# KiCad board austin.kicad_pcb (continued)
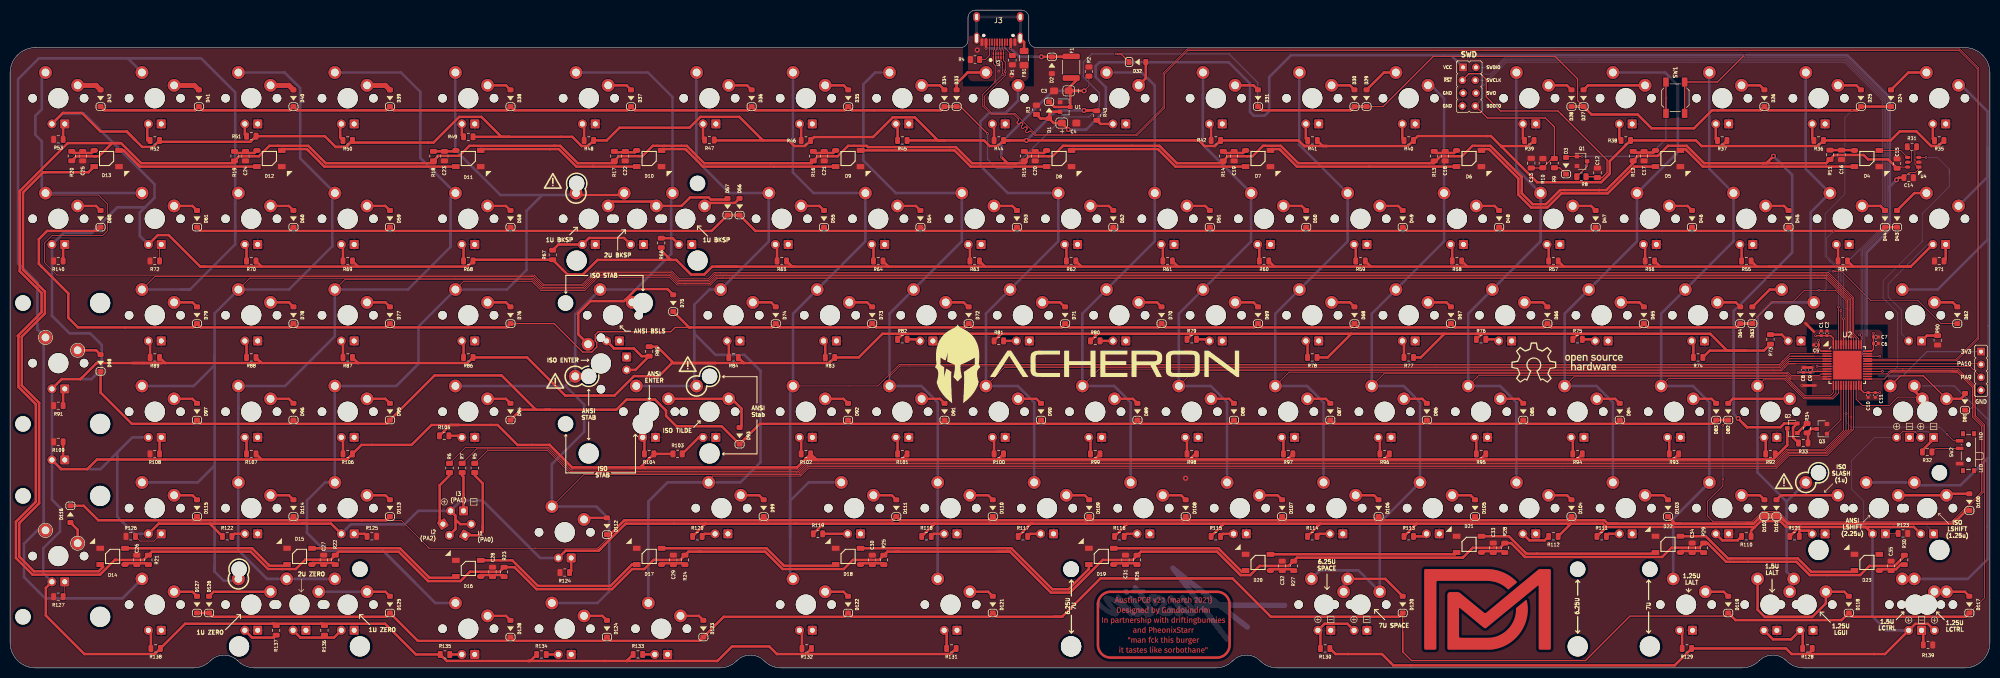
[diagram p0: board, top side]
## Routing (per net, layer and track width the routed paths; a pad name or vN(x,y) marks a point on that pad's centre or on a via; arc(x,y) is an arc through that point) (continued)
  Bottom w0.152: 372.66,77.58 370.91,75.83 370.91,73.29 373.58,70.62 373.58,65.96 LED42.A ; 372.66,77.58 372.27,77.19 ; 372.66,77.58 378.7,83.62 LED22.A ; LED81.A 366.09,28.21 366.09,32.91 363.67,35.32 363.67,40.91 368.29,45.52 LED2.A
  Bottom w0.508: 26.61,90.94 25.6,89.93 25.6,85.33 LED23.A ; 26.61,90.94 28.52,92.85 28.52,95.52 14.55,109.49 10.31,109.49 LED3.A ; 26.61,90.94 21.15,90.94 16.07,85.86 10.5,85.86 LED101.A 8.25,69.55 ; 367.82,10.14 370.55,7.41 LED99.A ; 367.82,10.14 LED81.A ; 367.82,10.14 368.07,9.89 ; 8.25,69.55 11.75,66.05 15.82,66.05 18.11,63.77 18.11,59.07 16.07,57.04 10.19,57.04 LED43.A LED63.A ; 8.25,69.55 9.34,68.47 ; 206.63,110.1 v1(200.71,104.17) ; 206.63,110.1 v1(212.09,110.1) ; 206.63,110.1 206.07,109.54 ; LED85.A 6.55,18.7 6.55,23.63 9.85,26.94 9.85,31.64 8.25,33.23 LED63.A ; 21.15,42.56 24.12,45.52 LED62.A ; 21.15,42.56 21.15,40.63 ; 21.15,42.56 17.85,39.26 10.07,39.26 LED63.A ; 21.15,42.56 21.15,29.86 24.54,26.47 LED84.A ; LED82.A 104.67,21.71 93.33,33.05 89.04,33.05 LEDCAPS1.A 80.58,31.01 77.91,28.33 67.27,28.33 65.41,26.47
NRST: length 199.2
  Top w0.152: U2.7 v2(356.87,59.55)
  Top w0.254: J2.3 288.12,117.36 290.39,117.36 291.54,116.22 291.54,112.79 294.33,109.99 305.71,109.99 315.39,100.32 315.39,97.81 314.4,96.83 C12.1 313.31,97.02 R8.2
  Bottom w0.152: 365.86,81.37 365.86,66.07 ; 365.86,81.37 365.86,82.19 ; 365.86,81.37 365.86,82.34 370.43,86.91 370.43,112.28 362.5,120.22 295.3,120.22 292.37,117.28 288.04,117.28 J2.3 ; 365.86,66.07 365.86,65.88 ; 365.86,66.07 365.86,61.77 363.64,59.55 v2(356.87,59.55)
RGB_3V3: length 60.5
  Top w0.152: U2.28 v2(369.76,58.55) ; U4.3 v2(378.4,100.82)
  Bottom w0.152: 382.98,98.49 382.98,97.35 ; 382.98,98.49 382.98,95.04 377.64,89.71 377.64,84.21 ; 382.98,98.49 380.65,100.82 v2(378.4,100.82) ; 377.64,84.21 369.9,76.47 369.9,73.04 372.81,70.12 372.81,59.49 371.88,58.55 v2(369.76,58.55) ; 377.64,84.21 377.64,84.6
RGB_5V: length 6.2
  Top w0.152: U4.4 373.37,102.2 D4.4
Row1: length 463.9
  Top w0.152: v2(361.09,71.26) U2.46
  Top w0.254: v2(218.44,121.27) 219.38,121.27 D32.1 ; D33.1 187.7,110.86 v2(193.04,105.52) ; D29.1 271.17,110.86 281.1,120.79 305.12,120.79 309.57,116.34 309.57,112.04 D27.1 ; v2(246.4,112.54) 246.4,110.86
  Top w0.508: D42.1 18.61,110.11 36.52,110.11 D41.1 38.03,110.11 55.21,110.11 D40.1 56.71,110.11 74.26,110.11 D39.1 75.76,110.11 98.07,110.11 D38.1 99.57,110.11 121.88,110.11 D37.1 123.38,110.11 145.7,110.11 D36.1 147.2,110.11 164.77,110.11 D35.1 166.28,110.11 183.77,110.11 D34.1 D33.1 ; D28.1 D27.1 312.32,109.3 321.44,109.3 324.18,106.57 332.56,106.57 336.1,110.11 345.72,110.11 D26.1 347.22,110.11 v2(363.8,110.11) 364.77,110.11 D25.1 D24.1 ; D29.1 D30.1 264.76,110.11 247.21,110.11 D31.1
  Bottom w0.152: 363.77,110.08 362.37,108.68 362.37,93.58 358.47,89.68 358.47,81.25 359.6,80.11 ; 361.09,77.3 361.09,78.63 359.6,80.11 ; 361.09,77.3 361.09,77.18 ; 361.09,77.3 v2(361.09,71.26) ; 359.6,80.11 359.25,80.46
  Bottom w0.254: v2(246.4,112.54) 246.4,115.59 240.71,121.27 v2(218.44,121.27) 213.61,121.27 211.96,119.62 211.96,116.7 215.14,113.53 215.14,110.86 213.11,108.83 208.15,108.83 197.99,98.67 194.82,98.67 193.04,100.44 v2(193.04,105.52)
Row2: length 371.9
  Top w0.152: U2.45 v2(361.59,70.58)
  Top w0.508: 313.23,87.05 312.48,86.3 294.93,86.3 294.18,87.05 293.43,86.3 275.88,86.3 275.13,87.05 ; D49.1 274.28,86.3 256.73,86.3 D50.1 255.23,86.3 237.68,86.3 D51.1 ; D61.1 37.66,86.3 55.21,86.3 D60.1 56.71,86.3 74.26,86.3 D59.1 75.76,86.3 98.07,86.3 D58.1 99.57,86.3 138.55,86.3 D57.1 D56.1 147.2,86.3 159.98,86.3 D55.1 161.48,86.3 179.03,86.3 D54.1 180.53,86.3 198.08,86.3 D53.1 ; D43.1 D44.1 369.53,86.3 351.98,86.3 D45.1 350.48,86.3 332.93,86.3 D46.1 331.43,86.3 313.88,86.3 D47.1 ; 198.93,87.05 199.68,86.3 217.23,86.3 217.98,87.05 218.73,86.3 236.28,86.3 237.03,87.05
  Bottom w0.152: v2(360.17,86.3) 358.77,84.9 358.77,81.38 361.59,78.56 v2(361.59,70.58)
Row3: length 451.3
  Top w0.152: U2.43 362.59,72.5 360.51,74.58 354.37,74.58 352.07,72.28 348.07,72.28 343.79,68 342.89,68 ; 360.55,78.35 v2(360.05,78.35) ; 360.55,78.35 361.7,78.35 367.54,72.5 376.86,72.5 381.37,68 D62.1 ; 360.55,78.35 360.3,78.35
  Top w0.254: 134.4,67.25 131.34,67.25 130.47,66.38 116.13,66.38 115.55,65.8 115.55,64.6 115.87,64.28 115.87,63.37 114.88,62.38 113.07,62.38 107.45,68 D76.1
  Top w0.508: D72.1 188.56,67.25 171.01,67.25 D73.1 169.51,67.25 151.96,67.25 D74.1 150.46,67.25 134.1,67.25 D75.1 ; D80.1 17.11,86.3 7.29,86.3 5.67,84.68 5.67,79.79 11.49,73.96 11.49,69.14 13.39,67.25 36.16,67.25 D79.1 37.66,67.25 55.21,67.25 D78.1 56.71,67.25 74.26,67.25 D77.1 75.76,67.25 98.07,67.25 D76.1 ; 189.41,68 190.16,67.25 207.71,67.25 208.46,68 209.21,67.25 226.76,67.25 227.51,68 ; D63.1 D64.1 340.96,67.25 323.41,67.25 D65.1 321.91,67.25 304.36,67.25 D66.1 302.86,67.25 285.31,67.25 D67.1 283.81,67.25 266.26,67.25 D68.1 264.76,67.25 247.21,67.25 D69.1 245.71,67.25 228.16,67.25 D70.1
  Bottom w0.152: v2(360.05,78.35) 359.03,78.35 358.65,77.97 358.65,74.92 358.31,74.58 v2(357.25,74.58)
Row4: length 504.1
  Top w0.152: 386.6,51.13 386.38,50.92 D81.1 386.18,50.92 386.55,50.54 387.57,51.56 ; 383.56,28.97 351.23,28.97 349.32,30.87 346.02,30.87 344.11,28.97 336.24,28.97 335.22,29.98 335.22,32.91 338.27,35.95 v2(338.27,37.35) ; 383.56,28.97 384.16,29.57 ; 383.56,28.97 389.35,34.76 389.35,47.74 387.57,49.52 387.57,51.56 ; 384.51,58.44 383.43,58.44 ; 384.51,58.44 371.53,58.44 ; 384.51,58.44 387.57,55.39 ; 384.51,58.44 371.53,58.44 ; 384.51,58.44 387.57,55.39 ; 387.57,52.11 387.57,55.39 ; 387.57,55.39 387.57,51.56 ; 371.53,58.44 370.14,57.05 U2.25 ; v2(338.27,47.89) D82.1 339.28,48.95
  Top w0.508: 103.82,51 97.06,57.76 83.82,57.76 D95.1 74.26,48.2 56.71,48.2 D96.1 55.21,48.2 37.66,48.2 D97.1 36.16,48.2 24.03,48.2 17.86,54.37 D98.1 ; 103.82,51 100.87,51 D94.1 ; 103.82,51 106.62,51 ; 106.62,51 119.73,51 121.73,53 127.36,53 129.54,50.81 129.54,49.76 131.57,47.72 140.53,47.72 D93.1 148.08,48.2 164.75,48.2 D92.1 166.25,48.2 183.8,48.2 D91.1 185.3,48.2 202.85,48.2 D90.1 204.35,48.2 221.9,48.2 D89.1 223.4,48.2 240.95,48.2 D88.1 242.45,48.2 260,48.2 D87.1 261.5,48.2 279.05,48.2 D86.1 280.55,48.2 298.1,48.2 D85.1 299.6,48.2 317.15,48.2 D84.1 318.65,48.2 336.2,48.2 D83.1 D82.1 ; 106.62,51 105.59,51
  Bottom w0.152: v2(338.27,37.35) v2(338.27,47.89)
Row5: length 475.7
  Top w0.152: 103.58,23.63 103.7,23.63 ; 103.7,23.63 116.03,23.63 118.47,26.07 118.47,26.32 ; 103.7,23.63 82.75,23.63 ; 82.75,23.63 77.24,29.15 74.26,29.15 ; 82.75,23.63 82.49,23.89 ; 373.8,58.75 384.64,58.75 387.88,55.51 387.88,49.66 389.66,47.88 389.66,34.89 389.66,34.64 386.21,31.19 386.21,30.94 ; 373.8,58.75 373.87,58.75 ; 373.8,58.75 371.41,58.75 370.71,58.05 U2.27
  Top w0.508: 345.22,29.39 345.48,29.65 349.86,29.65 ; 345.22,29.39 344.31,28.49 342.95,28.49 ; 345.22,29.39 346.22,30.39 349.12,30.39 349.55,29.96 ; 149.58,29.15 174.27,29.15 D111.1 175.77,29.15 193.32,29.15 ; 149.58,29.15 D99.1 148.08,29.15 ; 149.58,29.15 149.58,29.15 148.08,29.15 ; 349.55,29.96 350.44,29.07 ; 349.55,29.96 349.49,29.9 D102.1 ; 350.44,29.07 351.03,28.49 ; 350.44,29.07 349.86,29.65 ; D116.1 14.56,32.01 17.42,29.15 36.16,29.15 ; 288.57,29.15 D105.1 290.07,29.15 ; 288.57,29.15 271.02,29.15 ; 288.57,29.15 290.07,29.15 ; 56.71,29.15 D114.1 55.21,29.15 ; 56.71,29.15 55.21,29.15 ; 56.71,29.15 74.26,29.15 D113.1 ; 386.36,31.09 383.76,28.49 351.45,28.49 ; 386.36,31.09 386.21,30.94 ; 386.36,31.09 D100.1 ; 250.47,29.15 D107.1 251.97,29.15 ; 250.47,29.15 251.97,29.15 ; 250.47,29.15 232.92,29.15 ; 342.95,28.49 343.96,28.49 ; 342.95,28.49 329.86,28.49 ; 271.02,29.15 D106.1 269.52,29.15 ; 271.02,29.15 269.52,29.15 ; 212.37,29.15 213.87,29.15 ; 212.37,29.15 212.5,29.28 213.74,29.28 ; 212.37,29.15 D109.1 213.74,29.28 ; 212.37,29.15 194.82,29.15 ; 213.87,29.15 213.74,29.28 ; 213.87,29.15 231.42,29.15 ; 193.32,29.15 D110.1 194.82,29.15 ; 193.32,29.15 194.82,29.15 ; 329.86,28.49 328.83,28.49 ; 329.86,28.49 315.51,28.49 ; 328.83,28.49 328.17,29.15 ; 328.83,28.49 D103.1 ; 307.62,29.15 309.12,29.15 ; 307.62,29.15 290.07,29.15 ; 307.62,29.15 D104.1 309.12,29.15 ; 309.12,29.15 314.85,29.15 ; 351.03,28.49 351.45,28.49 ; 351.03,28.49 351.45,28.49 ; 314.85,29.15 314.96,29.04 ; 314.85,29.15 315.51,28.49 ; 251.97,29.15 269.52,29.15 ; 349.86,29.65 350.25,29.26 ; 36.16,29.15 37.66,29.15 ; 36.16,29.15 D115.1 37.66,29.15 ; 55.21,29.15 37.66,29.15 ; 231.42,29.15 D108.1 232.92,29.15 ; 231.42,29.15 232.92,29.15 ; 315.51,28.49 317.44,28.49 ; 148.08,29.15 121.29,29.15 118.47,26.32 D112.1
Row6: length 456.2
  Top w0.152: 388.18,49.78 388.18,50.42 ; 388.18,49.78 389.96,48 389.96,13.85 D117.1 ; 388.18,49.78 388.18,54.5 ; 388.18,54.5 388.18,55.64 384.77,59.05 373.77,59.05 ; 388.18,54.5 388.18,54.56 ; 373.77,59.05 373.87,59.05 ; 373.77,59.05 U2.29 ; 370.15,10.1 367.33,10.1
  Top w0.254: 275.03,3.18 275.03,7.07 ; 275.03,3.18 D120.1 ; 275.03,3.18 276.77,1.45 311.13,1.45 319.91,10.22 338.7,10.22 D119.1
  Top w0.508: D117.1 386.2,10.1 363.89,10.1 D118.1 361.73,9.44 340.74,9.44 D119.1 ; 207.77,10.1 206.18,10.1 ; 207.77,10.1 194.82,10.1 D121.1 193.32,10.1 166.25,10.1 D122.1 164.73,10.08 140.92,10.08 D123.1 136.17,5.33 118.62,5.33 D124.1 117.12,5.33 99.57,5.33 D128.1 98.07,5.33 80.52,5.33 D125.1 74.26,10.1 40.04,10.1 D126.1 ; 207.77,10.1 215.34,17.66 241.43,17.66 248.99,10.1 274.28,10.1 D120.1 ; D127.1 38.59,10.85 38.72,10.97
SWCLK: length 136.1
  Top w0.152: U2.37 365.59,65.46 v2(365.27,65.78)
  Bottom w0.152: v2(365.27,65.78) 365.56,66.07 365.56,82.47 370.13,87.04 370.13,112.16 362.38,119.91 295.45,119.91 291.61,116.07 J2.4
SWDIO: length 143.1
  Top w0.152: U2.34 v2(369.27,61.55)
  Bottom w0.152: v2(369.27,61.55) 367.09,61.55 366.17,62.48 366.17,82.21 370.74,86.79 370.74,112.41 362.63,120.52 295.18,120.52 293.26,118.61 J2.2
Net-(C16-Pad2): length 4.9
  Top w0.508: D4.1 364.19,102.27 R11.1
Net-(C17-Pad2): length 4.7
  Top w0.508: D5.1 324.55,101.78 320.79,101.78 R12.1
Net-(C18-Pad2): length 4.8
  Top w0.508: D6.1 285.18,101.7 281.58,101.7 R13.1
Net-(C19-Pad2): length 4.8
  Top w0.508: R14.1 239.9,101.7 243.5,101.7 D7.1
Net-(C20-Pad2): length 4.8
  Top w0.508: D8.1 204.21,101.7 200.61,101.7 R15.1
Net-(C21-Pad2): length 4.8
  Top w0.508: R16.1 158.94,101.7 162.54,101.7 D9.1
Net-(C22-Pad2): length 4.7
  Top w0.508: D10.1 123.38,101.83 119.52,101.83 R17.1
Net-(C23-Pad2): length 4.5
  Top w0.508: D11.1 87.85,102.02 R18.1
Net-(C24-Pad2): length 4.8
  Top w0.508: R19.1 44.64,101.7 48.24,101.7 D12.1
Net-(C25-Pad2): length 4.8
  Top w0.508: R20.1 12.49,101.7 16.1,101.7 D13.1
Net-(C26-Pad2): length 4.9
  Top w0.508: R21.1 27.03,20.67 22.86,20.67 22.69,20.5 D14.1
Net-(C27-Pad2): length 4.9
  Top w0.508: R22.1 63.89,20.71 59.79,20.71 59.6,20.52 D15.1
Net-(C28-Pad2): length 5
  Top w0.508: R23.1 97.23,18.33 92.97,18.33 92.94,18.3 D16.1
Net-(C29-Pad2): length 5
  Top w0.508: D17.1 128.66,20.64 128.68,20.67 132.99,20.67 R24.1
Net-(C30-Pad2): length 4.8
  Top w0.508: R25.1 172.28,20.67 168.19,20.67 D18.1
Net-(C31-Pad2): length 4.8
  Top w0.508: R26.1 222.29,20.67 218.2,20.67 D19.1
Net-(C32-Pad2): length 4.8
  Top w0.508: R27.1 253.25,19.48 249.16,19.48 D20.1
Net-(C33-Pad2): length 4.9
  Top w0.508: R28.1 294.92,23.05 290.73,23.05 290.58,22.91 D21.1
Net-(C34-Pad2): length 4.9
  Top w0.508: D22.1 330.15,23.08 333.86,23.08 334.17,22.77 R29.1
Net-(C35-Pad2): length 5.4
  Top w0.508: D23.1 369.41,19.48 372.45,19.48 373.36,20.39 R30.1
Net-(D3-Pad1): length 2.8
  Top w0.254: R9.1 306.03,98.77 D3.1
Net-(D3-Pad2): length 35.6
  Top w0.254: SW1.2 v2(327.02,112.58) SW1.2 ; D3.2 307.47,101.01 Q1.1 v2(310.46,101.01)
  Bottom w0.254: v2(310.46,101.01) 323.58,101.01 327.02,104.46 v2(327.02,112.58)
Net-(D4-Pad2): length 36
  Top w0.508: D5.4 329.87,102.4 329.92,102.45 330.86,102.45 334.31,99 D4.2
Net-(D5-Pad2): length 44.6
  Top w0.508: D6.4 290.58,102.35 290.68,102.45 292.08,102.45 297.88,96.66 297.88,93.46 300.42,90.92 303.59,90.92 306.39,93.71 315.51,93.71 320.8,99 D5.2
Net-(D6-Pad2): length 38.3
  Top w0.508: D7.4 248.91,102.21 249.15,102.45 250.68,102.45 254.13,99 D6.2
Net-(D7-Pad2): length 35.9
  Top w0.508: D7.2 230.17,99 226.72,102.45 209.87,102.45 D8.4
Net-(D8-Pad2): length 38.1
  Top w0.508: D9.4 186.52,102.2 189.72,99 D8.2
Net-(D10-Pad2): length 32.9
  Top w0.508: 93.19,102.45 D11.4 92.94,102.45 92.94,102.45 108.38,102.45 111.83,99 D10.2
Net-(D10-Pad4): length 36.4
  Top w0.508: 129.01,102.45 128.76,102.2 D10.4 128.66,102.23 128.88,102.45 133.37,102.45 136.82,99 D9.2
Net-(D11-Pad2): length 36
  Top w0.508: D12.4 53.65,102.4 53.7,102.45 58.62,102.45 62.07,99 D11.2
Net-(D12-Pad2): length 29.2
  Top w0.508: 25.62,99 25.15,99.48 ; 25.62,99 D12.2 ; 25.62,99 22.42,102.2 D13.4
Net-(D13-Pad2): length 114.2
  Top w0.508: D14.4 17.89,20.42 18.36,19.95 17.49,19.07 4.71,19.07 1.8,21.98 1.8,28.58 5.73,32.51 5.73,52.34 2.3,55.77 2.3,65.42 6.87,70 6.87,74.31 2.56,78.63 2.56,93.89 6.55,97.89 ; 6.55,97.89 7.03,97.89 ; 6.55,97.89 15.49,97.89 D13.2
Net-(D14-Pad2): length 33.5
  Top w0.508: D15.4 54.45,20.18 51.22,20.18 50.99,20.41 50.99,20.42 47.79,23.62 D14.2
Net-(D15-Pad2): length 31
  Top w0.508: D16.4 87.79,17.79 82.82,17.79 77,23.62 D15.2
Net-(D16-Pad2): length 34.7
  Top w0.508: D17.4 122.81,20.42 118.58,16.2 104.23,16.2 99.18,21.24 D16.2
Net-(D17-Pad2): length 35.8
  Top w0.508: D17.2 149.39,23.62 152.83,20.18 163.05,20.18
Net-(D18-Pad2): length 51
  Top w0.508: D18.2 197.74,23.62 205.83,15.53 209.05,15.53 213.05,19.53 D19.4
Net-(D19-Pad2): length 28
  Top w0.508: D19.2 238.62,23.62 243.2,19.04 243.82,19.04 D20.4
Net-(D20-Pad2): length 36.9
  Top w0.508: D21.4 285.31,22.43 D20.2
Net-(D21-Pad2): length 36.5
  Top w0.508: 324.39,22.8 D22.4 324.73,22.56 299.46,22.56 296.01,26 D21.2
Net-(D22-Pad2): length 37.4
  Top w0.508: D22.2 334.88,26 339.27,21.61 353.08,21.61 355.7,18.99 364.02,18.99 D23.4
Net-(D24-Pad2): length 8.4
  Top w0.508: SW3.1 374.91,117.59 D24.2
Net-(D25-Pad2): length 4.9
  Top w0.508: SW4.2 364.63,115.05 D25.2
Net-(D26-Pad2): length 4.9
  Top w0.508: SW5.2 345.58,115.05 D26.2
Net-(D27-Pad2): length 12.5
  Top w0.508: D27.2 311.64,115.05 SW6.2
Net-(D28-Pad2): length 4.9
  Top w0.508: D28.2 307.48,115.05 SW7.2
Net-(D29-Pad2): length 7.2
  Top w0.508: D29.2 271.32,117.59 SW8.1
Net-(D30-Pad2): length 4.9
  Top w0.508: SW9.2 264.62,115.05 D30.2
Net-(D31-Pad2): length 4.9
  Top w0.508: SW10.2 245.57,115.05 D31.2
Net-(D32-Pad2): length 5.2
  Top w0.508: SW11.2 224.3,116.46 D32.2
Net-(D33-Pad2): length 7.9
  Top w0.508: D33.2 186.93,115.4 189.11,117.59 SW12.1
Net-(D34-Pad2): length 4.9
  Top w0.508: D34.2 183.63,115.05 SW13.2
Net-(D35-Pad2): length 4.9
  Top w0.508: D35.2 164.63,115.05 SW14.2
Net-(D36-Pad2): length 4.9
  Top w0.508: D36.2 145.56,115.05 SW15.2
Net-(D37-Pad2): length 4.9
  Top w0.508: SW16.2 121.74,115.05 D37.2
Net-(D38-Pad2): length 4.9
  Top w0.508: D38.2 97.93,115.05 SW17.2
Net-(D39-Pad2): length 4.9
  Top w1.016: D39.2 74.12,115.05 SW18.2
Net-(D40-Pad2): length 4.9
  Top w1.016: SW19.2 55.07,115.05 D40.2
Net-(D41-Pad2): length 5.3
  Top w1.016: D41.2 36.39,115.05 SW20.2
Net-(D42-Pad2): length 4.9
  Top w1.016: D42.2 16.97,115.05 SW21.2
Net-(D43-Pad2): length 7.2
  Top w0.508: D43.2 376.1,93.78 SW22.1
Net-(D44-Pad2): length 4.9
  Top w0.508: D44.2 369.39,91.24 SW23.2
Net-(D45-Pad2): length 4.9
  Top w0.508: D45.2 350.34,91.24 SW24.2
Net-(D46-Pad2): length 4.9
  Top w0.508: SW25.2 331.29,91.24 D46.2
Net-(D47-Pad2): length 4.9
  Top w0.508: SW26.2 312.24,91.24 D47.2
Net-(D48-Pad2): length 4.9
  Top w0.508: D48.2 293.19,91.24 SW27.2
Net-(D49-Pad2): length 4.9
  Top w0.508: SW28.2 274.14,91.24 D49.2
Net-(D50-Pad2): length 4.9
  Top w0.508: D50.2 255.09,91.24 SW29.2
Net-(D51-Pad2): length 4.9
  Top w0.508: D51.2 236.04,91.24 SW30.2
Net-(D52-Pad2): length 4.9
  Top w0.508: D52.2 216.99,91.24 SW31.2
Net-(D53-Pad2): length 4.9
  Top w0.508: D53.2 197.94,91.24 SW32.2
Net-(D54-Pad2): length 4.9
  Top w0.508: D54.2 178.89,91.24 SW33.2
Net-(D55-Pad2): length 4.9
  Top w0.508: SW34.2 159.84,91.24 D55.2
Net-(D56-Pad2): length 7.5
  Top w0.508: SW35.2 137.74,91.82 143.16,91.82 D56.2
Net-(D57-Pad2): length 25.3
  Top w0.508: SW36.2 118.97,92.1 126.77,92.1 SW41.2 132.6,91.24 134.28,92.91 137.96,92.91 138.39,92.49 141.45,92.49 D57.2
Net-(D58-Pad2): length 4.9
  Top w0.508: SW37.2 97.93,91.24 D58.2
Net-(D59-Pad2): length 4.9
  Top w0.508: SW38.2 74.12,91.24 D59.2
Net-(D60-Pad2): length 4.9
  Top w0.508: SW39.2 55.07,91.24 D60.2
Net-(D61-Pad2): length 4.9
  Top w0.508: D61.2 36.02,91.24 SW40.2
Net-(D62-Pad2): length 4.9
  Top w0.508: D62.2 383.68,72.19 SW43.2
Net-(D63-Pad2): length 7.2
  Top w0.508: D63.2 347.52,74.73 SW44.1
Net-(D64-Pad2): length 4.9
  Top w0.508: SW45.2 340.82,72.19 D64.2
Net-(D65-Pad2): length 4.9
  Top w0.508: D65.2 321.77,72.19 SW46.2
Net-(D66-Pad2): length 4.9
  Top w0.508: SW47.2 302.72,72.19 D66.2
Net-(D67-Pad2): length 4.9
  Top w0.508: SW48.2 283.67,72.19 D67.2
Net-(D68-Pad2): length 4.9
  Top w0.508: SW49.2 264.62,72.19 D68.2
Net-(D69-Pad2): length 4.9
  Top w0.508: SW50.2 245.57,72.19 D69.2
Net-(D70-Pad2): length 4.9
  Top w0.508: SW51.2 226.52,72.19 D70.2
Net-(D71-Pad2): length 4.9
  Top w0.508: 208.26,71.3 207.37,72.19 203.74,72.19
Net-(D72-Pad2): length 4.9
  Top w0.508: 189.21,71.3 188.32,72.19 184.69,72.19
Net-(D73-Pad2): length 4.9
  Top w0.508: 170.16,71.3 169.27,72.19 165.63,72.19
Net-(D74-Pad2): length 4.9
  Top w0.508: 146.69,72.19 150.32,72.19 D74.2
Net-(D75-Pad2): length 28.1
  Top w0.508: D75.2 129.83,74.82 123.61,74.82 121.24,72.44 114.62,72.44 112.2,70.03 112.2,65.87 SW42.2
Net-(D76-Pad2): length 4.9
  Top w0.508: D76.2 97.93,72.19 SW57.2
Net-(D77-Pad2): length 4.9
  Top w0.508: D77.2 74.12,72.19 SW58.2
Net-(D78-Pad2): length 4.9
  Top w0.508: SW59.2 55.07,72.19 D78.2
Net-(D79-Pad2): length 4.9
  Top w0.508: D79.2 36.02,72.19 SW60.2
Net-(D80-Pad2): length 4.9
  Top w0.508: D80.2 16.97,91.24 SW61.2
Net-(D81-Pad2): length 18.2
  Top w0.254: SW81.2 377.89,57.68 373.32,57.68 SW63.1
  Top w0.508: 386.37,54.23 385.28,53.14 SW81.2
Net-(D82-Pad2): length 12.5
  Top w0.508: SW64.2 340.22,53.14 D82.2
Net-(D83-Pad2): length 4.9
  Top w0.508: D83.2 336.06,53.14 SW65.2
Net-(D84-Pad2): length 4.9
  Top w0.508: SW66.2 317.01,53.14 D84.2
Net-(D85-Pad2): length 4.9
  Top w0.508: D85.2 297.96,53.14 SW67.2
Net-(D86-Pad2): length 4.9
  Top w0.508: SW68.2 278.91,53.14 D86.2
Net-(D87-Pad2): length 4.9
  Top w0.508: D87.2 259.86,53.14 SW69.2
Net-(D88-Pad2): length 4.9
  Top w0.508: SW70.2 240.81,53.14 D88.2
Net-(D89-Pad2): length 4.9
  Top w0.508: D89.2 221.76,53.14 SW71.2
Net-(D90-Pad2): length 4.9
  Top w0.508: D90.2 202.71,53.14 SW72.2
Net-(D91-Pad2): length 4.9
  Top w0.508: D91.2 183.66,53.14 SW73.2
Net-(D92-Pad2): length 4.9
  Top w0.508: SW74.2 164.61,53.14 D92.2
Net-(D93-Pad2): length 19.1
  Top w0.508: D93.2 144.45,47.87 144.45,51.2 142.51,53.14 SW62.2 SW75.2
Net-(D94-Pad2): length 4.9
  Top w0.508: SW76.2 97.93,53.14 D94.2
Net-(D95-Pad2): length 4.9
  Top w0.508: SW77.2 74.12,53.14 D95.2
Net-(D96-Pad2): length 4.9
  Top w0.508: D96.2 55.07,53.14 SW78.2
Net-(D97-Pad2): length 4.9
  Top w0.508: SW79.2 36.02,53.14 D97.2
Net-(D98-Pad2): length 4.9
  Top w0.508: SW80.2 16.99,62.73 D98.2
Net-(D99-Pad2): length 4.9
  Top w0.508: D99.2 147.94,34.09 SW83.2
Net-(D100-Pad2): length 14.2
  Top w0.508: D100.2 382.73,34.39 SW84.2 SW82.2
Net-(D101-Pad2): length 12.5
  Top w0.508: D101.2 349.74,34.09 SW85.2
Net-(D102-Pad2): length 4.9
  Top w0.508: D102.2 345.58,34.09 SW86.2
Net-(D103-Pad2): length 4.9
  Top w0.508: SW87.2 326.53,34.09 D103.2
Net-(D104-Pad2): length 4.9
  Top w0.508: SW88.2 307.48,34.09 D104.2
Net-(D105-Pad2): length 4.9
  Top w0.508: SW89.2 288.43,34.09 D105.2
Net-(D106-Pad2): length 4.9
  Top w0.508: SW90.2 269.38,34.09 D106.2
Net-(D107-Pad2): length 4.9
  Top w0.508: D107.2 250.33,34.09 SW91.2
Net-(D108-Pad2): length 4.9
  Top w0.508: D108.2 231.28,34.09 SW92.2
Net-(D109-Pad2): length 4.9
  Top w0.508: D109.2 212.23,34.09 SW93.2
Net-(D110-Pad2): length 4.9
  Top w0.508: SW94.2 193.18,34.09 D110.2
Net-(D111-Pad2): length 4.9
  Top w0.508: D111.2 174.13,34.09 SW95.2
Net-(D112-Pad2): length 4.6
  Top w0.508: SW96.2 113.65,29.62 D112.2
Net-(D113-Pad2): length 4.9
  Top w0.508: D113.2 74.12,34.09 SW97.2
Net-(D114-Pad2): length 4.9
  Top w0.508: SW98.2 55.07,34.09 D114.2
Net-(D115-Pad2): length 4.9
  Top w0.508: D115.2 36.02,34.09 SW99.2
Net-(D116-Pad2): length 4.7
  Top w0.508: D116.2 13.34,27.28 SW100.2
Net-(D117-Pad2): length 7.3
  Top w0.508: D117.2 386.06,15.04 SW101.2
  Bottom w0.508: SW111.2 SW101.2
Net-(D118-Pad2): length 28.4
  Top w0.508: SW112.1 345.12,11.48 346.51,10.1 355.96,10.1 358.62,12.75 SW102.2 362.25,15.04 D118.2
Net-(D119-Pad2): length 4.9
  Top w0.508: SW113.2 338.44,15.04 D119.2
Net-(D120-Pad2): length 15.2
  Top w0.508: D120.2 271.6,17.58 SW114.1
  Bottom w0.508: SW114.1 263.37,16.78 SW103.2
Net-(D121-Pad2): length 4.9
  Top w0.508: D121.2 193.18,15.04 SW104.2
Net-(D122-Pad2): length 4.9
  Top w0.508: SW105.2 164.61,15.04 D122.2
Net-(D123-Pad2): length 4.9
  Top w0.508: D123.2 136.03,10.27 SW106.2
Net-(D124-Pad2): length 4.9
  Top w0.508: SW107.2 116.98,10.27 D124.2
Net-(D125-Pad2): length 14.4
  Top w0.508: SW108.2 74.12,15.04 D125.2
  Bottom w0.508: SW116.2 SW108.2
Net-(D126-Pad2): length 12.5
  Top w0.508: SW109.2 40.18,15.04 D126.2
Net-(D127-Pad2): length 4.9
  Top w0.508: D127.2 36.02,15.04 SW110.2
Net-(D128-Pad2): length 4.9
  Top w0.508: SW115.2 97.93,10.27 D128.2
Net-(J3-PadA5): length 3.1
  Top w0.152: 196.43,124.13 196.43,122.45 197.46,121.43
Net-(J3-PadB5): length 5.4
  Top w0.152: 193.43,124.13 193.43,120.98 192.6,120.15 R4.2
Net-(LED1-PadK): length 9.5
  Top w0.508: LED1.K 379.89,45.19 377.68,42.98 R32.2
  Bottom w0.152: LED1.K 378.77,46.64 376.24,46.64 LED2.K
Net-(LED3-PadK): length 3.2
  Top w0.152: 10.46,107.1 LED3.K
  Top w0.508: R53.1 10.46,107.1
Net-(LED4-PadA): length 3.4
  Top w0.508: LED4.A 379.73,104.51 R35.2
Net-(LED5-PadA): length 3.4
  Top w0.508: R36.2 355.92,104.51 LED5.A
Net-(LED6-PadA): length 3.4
  Top w0.508: R37.2 336.87,104.51 LED6.A
Net-(LED7-PadA): length 3.4
  Top w0.508: R38.2 317.82,104.51 LED7.A
Net-(LED8-PadA): length 3.4
  Top w0.508: R39.2 298.77,104.51 LED8.A
Net-(LED9-PadA): length 3.4
  Top w0.508: LED9.A 274.96,104.51 R40.2
Net-(LED10-PadA): length 3.4
  Top w0.508: R41.2 255.9,104.56 LED10.A
Net-(LED11-PadA): length 3.4
  Top w0.508: LED11.A 237.19,107.1 R42.2
Net-(LED12-PadA): length 3.5
  Top w0.508: R43.2 215.34,107.43 LED12.A
Net-(LED13-PadA): length 3.4
  Top w0.508: R44.2 194.32,107.1 LED13.A
Net-(LED14-PadA): length 3.4
  Top w0.508: LED14.A 175.27,107.1 R45.2
Net-(LED15-PadA): length 3.4
  Top w0.508: LED15.A 156.23,107.1 R46.2
Net-(LED16-PadA): length 3.4
  Top w0.508: LED16.A 136.84,104.51 137.18,104.17
Net-(LED17-PadA): length 3.4
  Top w0.508: LED17.A 113.36,107.1 R48.2
Net-(LED18-PadA): length 2.7
  Top w0.508: LED18.A 89.22,105.22 R49.2
Net-(LED19-PadA): length 3.5
  Top w0.508: 65.19,107.43 65.19,104.72 R50.2
Net-(LED20-PadA): length 2.6
  Top w0.508: R51.2 46.36,105.35 LED20.A
Net-(LED21-PadA): length 3.3
  Top w0.508: 27.09,104.17 27.09,107.43
Net-(LED22-PadK): length 3.4
  Top w0.508: LED22.K 382.27,80.69 R71.1
Net-(LED23-PadK): length 3.4
  Top w0.152: LED23.K 29.51,83.29 R72.1
Net-(LED24-PadA): length 3.3
  Top w0.508: R54.2 361.01,83.62
Net-(LED25-PadA): length 3.3
  Top w0.508: R55.2 341.96,83.62
Net-(LED26-PadA): length 3.3
  Top w0.508: R56.2 322.91,83.62
Net-(LED27-PadA): length 3.3
  Top w0.508: R57.2 303.86,83.62
Net-(LED28-PadA): length 3.3
  Top w0.508: R58.2 284.81,83.62
Net-(LED29-PadA): length 3.3
  Top w0.508: R59.2 265.76,83.62
Net-(LED30-PadA): length 3.3
  Top w0.508: R60.2 246.71,83.62
Net-(LED31-PadA): length 3.3
  Top w0.508: R61.2 227.66,83.62
Net-(LED32-PadA): length 3.3
  Top w0.508: R62.2 208.61,83.62
Net-(LED33-PadA): length 3.3
  Top w0.508: R63.2 189.56,83.62
Net-(LED34-PadA): length 3.3
  Top w0.508: R64.2 170.51,83.62
Net-(LED35-PadA): length 3.3
  Top w0.508: R65.2 151.46,83.62
Net-(LED36-PadA): length 4
  Top w0.508: R66.2 130.83,84.87 LED36.A
Net-(LED37-PadA): length 16.9
  Top w0.508: LED38.A 121.26,84.92 114.33,84.92 LED37.A 108.29,83.62 R67.2
Net-(LED39-PadA): length 3.3
  Top w0.508: R68.2 89.55,83.62
Net-(LED40-PadA): length 3.3
  Top w0.508: R69.2 65.74,83.62
Net-(LED41-PadA): length 3.3
  Top w0.508: R70.2 46.69,83.62
